# Altium PCB main_board.PcbDoc (part 1 of 2)
Units mm, origin at the board's own origin, x right, y up, seen from the top; angles counter-clockwise.
Board outline 102 x 125 mm, 2 copper layers (Top Layer, Bottom Layer), stack 1.58 mm thick; 105 components, 116 nets, 584 pads, 449 vias.
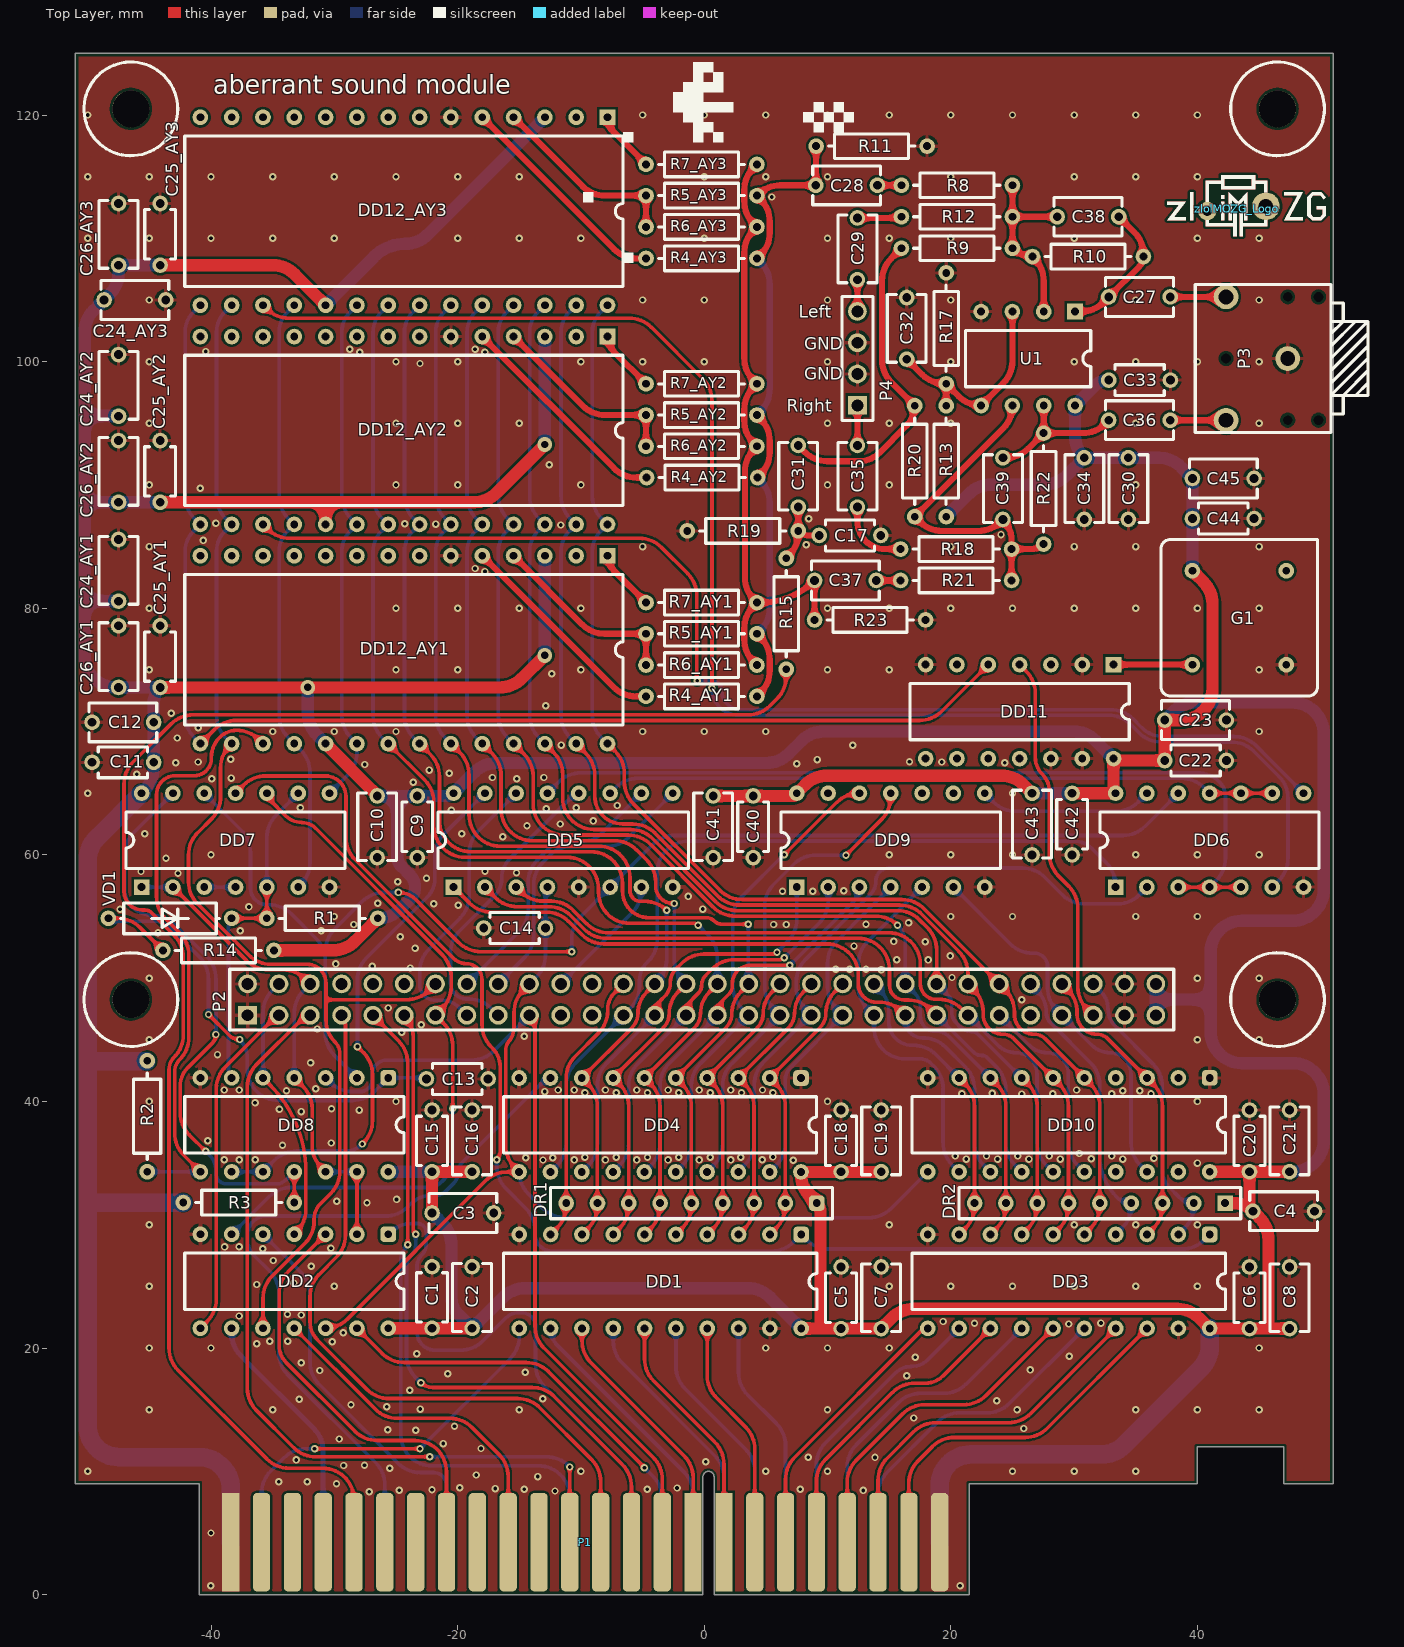
[diagram p0: Top Layer view]
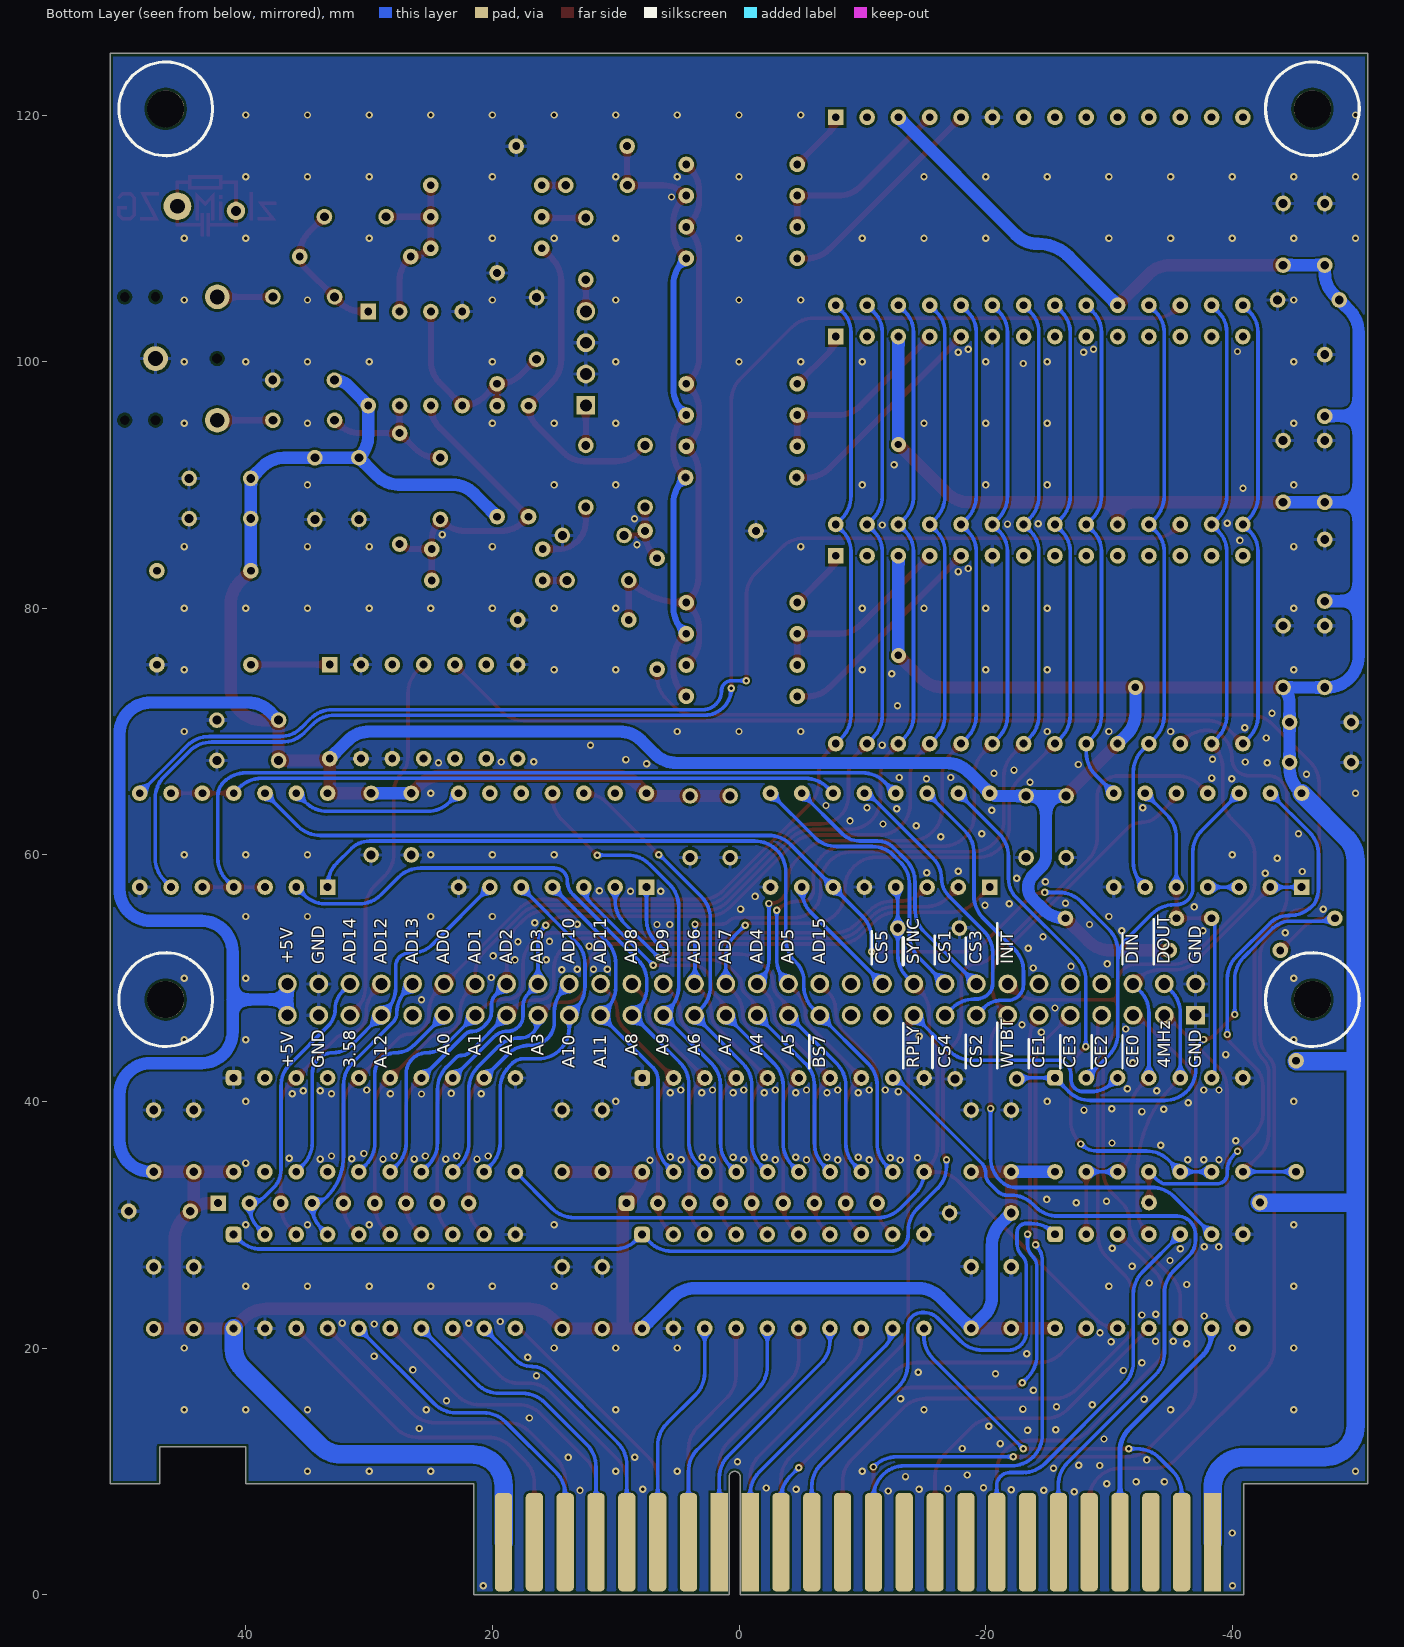
[diagram p1: Bottom Layer view, seen from below]
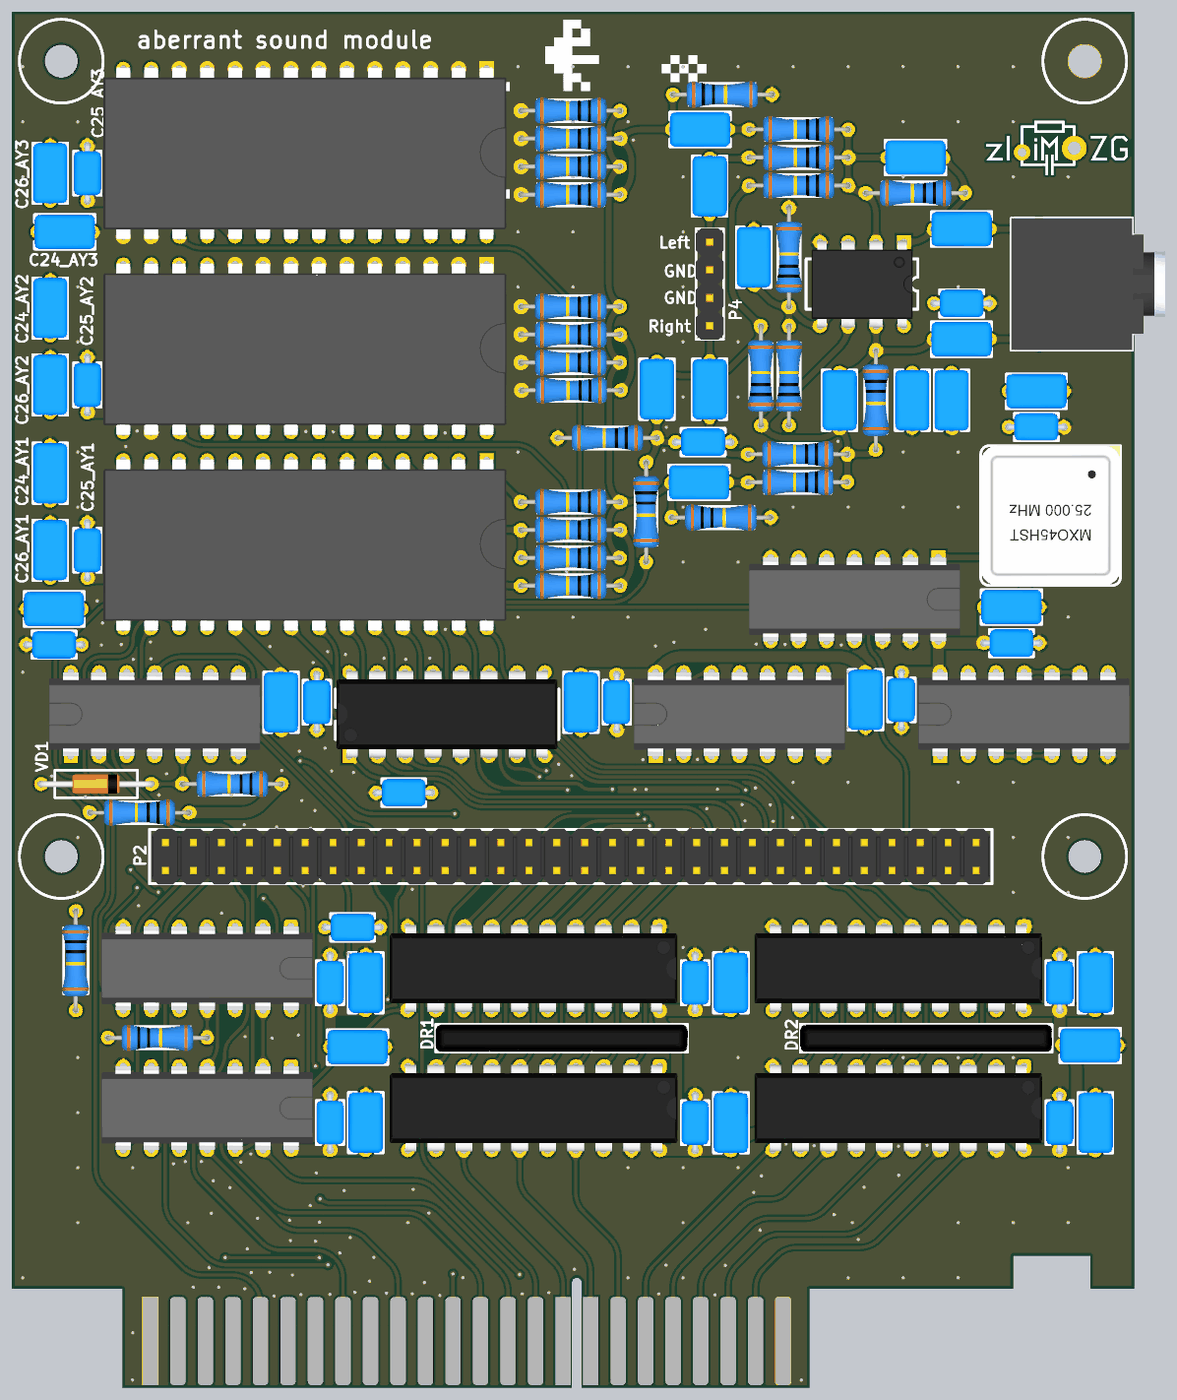
[diagram p3: 3D render of the assembled board from above, using the file's embedded part models]

## Layer stack, top to bottom
Top Solder: solder mask 0.0102, Solder Resist, Dk 3.5
Top Layer: signal copper 0.035
Dielectric 1: dielectric 1.51, FR-4, Dk 4.8
Bottom Layer: signal copper 0.035
Bottom Solder: solder mask 0.0102, Solder Resist, Dk 3.5

## Board outline
-40.95,0 -0.1,0 -0.1,9.552 cw(c0.35,9.55) 0.8,9.55 0.8,0 21.5,0 21.5,9 40,9 40,12 47,12 47,9 51,9 51,125 -51,125 -51,9 -40.95,9

## Design rules (kind name [scope] priority, off if disabled: settings)
BoardOutlineClearance [OnCopper] p1: gap=0.25 ignorepadtopadclearanceinfootprint=FALSE
Clearance BigHoleClearance [IsPad && HoleDiameter > 5] p1: gap=0.15 ignorepadtopadclearanceinfootprint=FALSE except(0.45: Arc-Hole Track-Hole SMDPad-Hole THPad-Hole Via-Hole Fill-Hole Poly-Hole Region-Hole Text-Hole)
Clearance KeepOutClearance [Keepout] p2: gap=0.2 ignorepadtopadclearanceinfootprint=FALSE
Clearance PolygonClearanceAllLayers [All vs InPolygon] p3: gap=0.2 ignorepadtopadclearanceinfootprint=FALSE
Clearance ClearanceInternalLayers [All vs OnMid] p4: gap=0.1 ignorepadtopadclearanceinfootprint=FALSE
Clearance ClearanceTopBottomLayers [All] p5: gap=0.15 ignorepadtopadclearanceinfootprint=FALSE
ComponentClearance [All] p1: gap=0.15 collisioncheckmode=3 verticalgap=0.15 showdistances=FALSE
DiffPairsRouting [All] p1: maxlimit=0.15 minlimit=0.1 mostfreqgap=0.15 toplayer_minwidth=0.1 toplayer_maxwidth=0.5 toplayer_prefwidth=0.3 bottomlayer_minwidth=0.1 bottomlayer_maxwidth=0.5 bottomlayer_prefwidth=0.3 maxuncoupledlength=12.7
HoleSize [All] p1: absolutevalues=TRUE maxlimit=10 minlimit=0.2 maxpercent=80.000 minpercent=20.000
HoleToHoleClearance [All] p1: gap=0.2 allowstackedmicrovias=TRUE
MatchedLengths [InDifferentialPairClass('All Differential Pairs')] p1: tolerance=0.3 checknetsindiffpair=TRUE checkdiffpairvsdiffpair=FALSE checkxsignals=FALSE checkothers=FALSE
MinimumAnnularRing [All] p1: minimumring=0.1
MinimumSolderMaskSliver [All] p1: minsoldermaskwidth=0.1
PolygonConnect [All] p1: thpad.connectstyle=Relief thpad.reliefconductorwidth=0.3 thpad.reliefentries=4 thpad.polygonreliefangle="90 Angle" thpad.airgapwidth=0.25 smdpad.connectstyle=Relief smdpad.reliefconductorwidth=0.25 smdpad.reliefentries=4 smdpad.polygonreliefangle="90 Angle" smdpad.airgapwidth=0.25 via.connectstyle=Direct via.reliefconductorwidth=0.254 via.reliefentries=4 via.polygonreliefangle="90 Angle" via.airgapwidth=0.254
RoutingVias [All] p1: holewidth=0.2 width=0.5 viastyle="Through Hole" minholewidth=0.2 minwidth=0.4 maxholewidth=1 maxwidth=2
SilkToSilkClearance [All] p1: silktosilkclearance=0.01
SilkToSolderMaskClearance [IsPad] p1: minsilkscreentomaskgap=0.01 clearancetoexposedcopper=TRUE
SolderMaskExpansion [All] p1: expansion=0.05
ViasUnderSMD [All] p1: allowed=TRUE
Width WidthInternalLayers [OnMid] p1: maxlimit=8 minlimit=0.1 preferedwidth=0.25
Width WidthTopBottomLayers [OnTopLayer Or OnBottomLayer] p2: maxlimit=8 minlimit=0.15 preferedwidth=0.25
23 further rules are at their usual default settings.

## Classes and differential pairs
channel class ay: AY1 AY2 AY3
net class R_IN[1..3]: R_IN3
net class L_IN[1..3]: L_IN3
net class CS_AY[1..3]: CS_AY1 CS_AY2 CS_AY3
net class C\S\[1..5]: C\S\1 C\S\2 C\S\3 C\S\4 C\S\5
net class C\E\[0..3]: C\E\0 C\E\1 C\E\2 C\E\3
net class AD[0..15]: AD0 AD1 AD2 AD3 AD4 AD5 AD6 AD7 AD8 AD9 AD10 AD11 AD12 AD13 AD14 AD15
net class A[0..12]: A0 A1 A2 A3 A4 A5 A6 A7 A8 A9 A10 A11 A12
component class "System Bus": C1 C2 C3 C4 C5 C6 C7 C8 DD1 DD2 DD3 DR1 DR2 P1
component class "Future Connector": P2
component class AY3: C24_AY3 C25_AY3 C26_AY3 DD12_AY3 R4_AY3 R5_AY3 R6_AY3 R7_AY3
component class AY2: C24_AY2 C25_AY2 C26_AY2 DD12_AY2 R4_AY2 R5_AY2 R6_AY2 R7_AY2
component class AY1: C24_AY1 C25_AY1 C26_AY1 DD12_AY1 R4_AY1 R5_AY1 R6_AY1 R7_AY1
component class "Audio Mixer": C17 C27 C28 C29 C30 C31 C32 C33 C34 C35 C36 C37 C38 C39 P3 P4 R8 R9 R10 R11 R12 R13 R15 R17 R18 R19 R20 R21 R22 R23 U1
component class "Address Detector": C9 C10 C11 C12 C13 C14 C15 C16 C18 C19 C20 C21 C22 C23 C40 C41 C42 C43 C44 C45 DD4 DD5 DD6 DD7 DD8 DD9 DD10 DD11 G1 R1 R2 R3 R14 VD1 zloiMOZG_Logo

## Components (designator, comment, footprint, x,y, rotation, side; value= is the part's Value field where it differs from the comment)
C1 "0.1u" "CAP 4x2.5" -22.075,24.1 r270 top
C2 "4.7u" "CAP 5.5x3.15" -18.825,24.1 r270 top
C3 "10u" "CAP 5.5x3.15" -19.575,30.95 r180 top
C4 "10u" "CAP 5.5x3.15" 47,31.1 r180 top
C5 "0.1u" "CAP 4x2.5" 11.1,24.075 r270 top
C6 "0.1u" "CAP 4x2.5" 44.225,24.075 r270 top
C7 "4.7u" "CAP 5.5x3.15" 14.35,24.075 r270 top
C8 "4.7u" "CAP 5.5x3.15" 47.475,24.075 r270 top
C9 "0.1u" "CAP 4x2.5" -23.275,62.275 r90 top
C10 "4.7u" "CAP 5.5x3.15" -26.525,62.275 r90 top
C11 "0.1u" "CAP 4x2.5" -47.15,67.5 r0 top
C12 "4.7u" "CAP 5.5x3.15" -47.15,70.75 r0 top
C13 "62" "CAP 4x2.5" -20.025,41.825 r180 top
C14 "200" "CAP 4x2.5" -15.375,54.06 r0 top
C15 "0.1u" "CAP 4x2.5" -22.075,36.8 r270 top
C16 "4.7u" "CAP 5.5x3.15" -18.825,36.8 r270 top
C17 "Cap" "CAP 4x2.5" 11.825,85.9 r180 top
C18 "0.1u" "CAP 4x2.5" 11.1,36.8 r270 top
C19 "4.7u" "CAP 5.5x3.15" 14.35,36.8 r270 top
C20 "0.1u" "CAP 4x2.5" 44.225,36.8 r270 top
C21 "4.7u" "CAP 5.5x3.15" 47.475,36.8 r270 top
C22 "0.1u" "CAP 4x2.5" 39.85,67.65 r180 top
C23 "4.7u" "CAP 5.5x3.15" 39.85,70.925 r180 top
C24_AY1 "10u" "CAP 5.5x3.15" -47.5,83.075 r270 top (schematic designator C24)
C24_AY2 "10u" "CAP 5.5x3.15" -47.5,98.075 r270 top (schematic designator C24)
C24_AY3 "10u" "CAP 5.5x3.15" -46.175,105 r180 top (schematic designator C24)
C25_AY1 "0.1u" "CAP 4x2.5" -44.125,76.075 r270 top (schematic designator C25)
C25_AY2 "0.1u" "CAP 4x2.5" -44.125,91.1 r270 top (schematic designator C25)
C25_AY3 "0.1u" "CAP 4x2.5" -44.125,110.325 r270 top (schematic designator C25)
C26_AY1 "4.7u" "CAP 5.5x3.15" -47.5,76.075 r270 top (schematic designator C26)
C26_AY2 "4.7u" "CAP 5.5x3.15" -47.5,91.1 r270 top (schematic designator C26)
C26_AY3 "4.7u" "CAP 5.5x3.15" -47.5,110.325 r270 top (schematic designator C26)
C27 "10u" "CAP 5.5x3.15" 35.304,105.25 r0 top
C28 "10u" "CAP 5.5x3.15" 11.55,114.3 r0 top
C29 "10u" "CAP 5.5x3.15" 12.425,109.15 r90 top
C30 "10u" "CAP 5.5x3.15" 34.4,89.7 r90 top
C31 "10u" "CAP 5.5x3.15" 7.625,90.703 r90 top
C32 "10u" "CAP 5.5x3.15" 16.425,102.7 r270 top
C33 "0.1u" "CAP 4x2.5" 35.314,98.5 r180 top
C34 "4.7u" "CAP 5.5x3.15" 30.825,89.7 r90 top
C35 "10u" "CAP 5.5x3.15" 12.425,90.703 r270 top
C36 "10u" "CAP 5.5x3.15" 35.304,95.25 r0 top
C37 "10u" "CAP 5.5x3.15" 11.45,82.25 r0 top
C38 "1200 NC" "CAP 5.5x3.15" 31.125,111.75 r180 top
C39 "1200 NC" "CAP 5.5x3.15" 24.225,89.7 r270 top
C40 "0.1u" "CAP 4x2.5" 3.975,62.275 r90 top
C41 "4.7u" "CAP 5.5x3.15" 0.725,62.275 r90 top
C42 "0.1u" "CAP 4x2.5" 29.84,62.487 r90 top
C43 "4.7u" "CAP 5.5x3.15" 26.59,62.487 r90 top
C44 "0.1u" "CAP 4x2.5" 42.1,87.275 r180 top
C45 "4.7u" "CAP 5.5x3.15" 42.1,90.525 r180 top
DD1 "74F642N" DIP20 7.865,29.21 r270 top
DD2 "74x1034" DIP14#1 -25.625,29.225 r270 top
DD3 "74F642N" DIP20 40.995,29.21 r270 top
DD4 "74x573" DIP20 7.85,41.9 r270 top
DD5 "74x138" DIP16 -20.331,57.38 r90 top
DD6 "74x27" DIP14#2 33.365,57.38 r90 top
DD7 "74x08" DIP14#2 -45.63,57.38 r90 top
DD8 "74x38" DIP14#1 -25.625,41.91 r270 top
DD9 "74x30" DIP14#2 7.509,57.38 r90 top
DD10 "74x573" DIP20 40.995,41.91 r270 top
DD11 "74x393" DIP14#2 33.2,75.425 r270 top
DD12_AY1 "AY-3-8912" DIP28 -7.844,84.256 r270 top (schematic designator DD12)
DD12_AY2 "AY-3-8912" DIP28 -7.844,102.036 r270 top (schematic designator DD12)
DD12_AY3 "AY-3-8912" DIP28 -7.844,119.816 r270 top (schematic designator DD12)
DR1 "RNA8" SIP9#1 9.125,31.75 r270 top
DR2 "RNA8" SIP9#2 42.25,31.75 r270 top
G1 "CXO" "DIP8 CXO" 49.75,85.575 r270 top
P1 "EDGE" "SNP15-48 EDGE" -38.4,4.25 r0 top locked
P2 "PLD60" PLD60 -0.2,48.26 r180 top locked
P3 "3.5mm audio socket" ST-111 47.325,100.25 r180 top
P4 "Header 4" PLS4 12.425,100.265 r270 top
R1 "2.2K" "Axial Res 0.25"#1 -26.475,54.85 r180 top
R2 "2.2K" "Axial Res 0.25"#2 -45.175,38.8 r270 top
R3 "2.2K" "Axial Res 0.25"#1 -42.25,31.8 r0 top
R4_AY1 "1K" "Axial Res 0.25"#1 4.28,72.85 r180 top (schematic designator R4)
R4_AY2 "1K" "Axial Res 0.25"#1 4.33,90.6 r180 top (schematic designator R4)
R4_AY3 "1K" "Axial Res 0.25"#1 4.28,108.375 r180 top (schematic designator R4)
R5_AY1 "2.2K" "Axial Res 0.25"#1 4.28,77.925 r180 top (schematic designator R5)
R5_AY2 "2.2K" "Axial Res 0.25"#1 4.28,95.67 r180 top (schematic designator R5)
R5_AY3 "2.2K" "Axial Res 0.25"#1 4.28,113.465 r180 top (schematic designator R5)
R6_AY1 "2.2K" "Axial Res 0.25"#1 4.28,75.385 r180 top (schematic designator R6)
R6_AY2 "2.2K" "Axial Res 0.25"#1 4.28,93.13 r180 top (schematic designator R6)
R6_AY3 "2.2K" "Axial Res 0.25"#1 4.28,110.925 r180 top (schematic designator R6)
R7_AY1 "1K" "Axial Res 0.25"#1 4.28,80.455 r180 top (schematic designator R7)
R7_AY2 "1K" "Axial Res 0.25"#1 4.28,98.2 r180 top (schematic designator R7)
R7_AY3 "1K" "Axial Res 0.25"#1 4.28,115.995 r180 top (schematic designator R7)
R8 "24k" "Axial Res 0.25"#1 25,114.3 r180 top
R9 "100K" "Axial Res 0.25"#1 25,109.2 r180 top
R10 "10k" "Axial Res 0.25"#1 35.625,108.525 r180 top
R11 "510" "Axial Res 0.25"#1 9.075,117.475 r0 top
R12 "24k" "Axial Res 0.25"#1 25,111.75 r180 top
R13 "1K" "Axial Res 0.25"#1 19.625,87.425 r90 top
R14 "10K" "Axial Res 0.25"#2 -39.4,52.25 r180 top
R15 "510" "Axial Res 0.25"#1 6.65,84.05 r270 top
R17 "1K" "Axial Res 0.25"#1 19.625,98.2 r90 top
R18 "24k" "Axial Res 0.25"#1 24.925,84.8 r180 top
R19 "510" "Axial Res 0.25"#1 7.625,86.275 r180 top
R20 "100K" "Axial Res 0.25"#1 17.075,87.425 r90 top
R21 "24k" "Axial Res 0.25"#1 24.925,82.25 r180 top
R22 "10k" "Axial Res 0.25"#1 27.525,94.2 r270 top
R23 "510" "Axial Res 0.25"#1 8.95,79.05 r0 top
U1 "LM358N" DIP8 30.075,104.06 r270 top
VD1 "D9B" D9 -43.325,54.85 r0 top locked
zloiMOZG_Logo "zloiMOZG_Logo" zloiMOZG_Logo_1.5mm 37.55,111.475 r0 top

## Footprints (in the part's own frame and the unit in brackets; to place one, negate y for a bottom-side part, rotate by r counter-clockwise, add the part's x,y. Pads: shape width x height; smd on the part's side, far side on the other; paste and mask are expansions set on the pad)
"Axial Res 0.25"#1 [mm]
  round 1.27 hole 0.635: 1(0,0) 2(9,0)
  silkscreen extent 1,-1 8,1, body extent -0.19,-1.19 9.21,1.19, height 2.57
"Axial Res 0.25"#2 [mm]
  round 1.27 hole 0.635: 1(-4.5,0) 2(4.5,0)
  silkscreen extent -3.5,-1.1 3.5,1.1, body extent -4.7,-1.2 4.7,1.18, height 2.57
"CAP 4x2.5" [mm]
  round 1.27 hole 0.711: 1(-2.5,0) 2(2.5,0)
  silkscreen extent -2,-1.25 2,1.25, body extent -2.75,-1.25 2.75,1.25, height 5.8
"CAP 5.5x3.15" [mm]
  round 1.27 hole 0.711: 1(-2.5,0) 2(2.5,0)
  silkscreen extent -2.75,-1.58 2.75,1.58, body extent -2.75,-1.57 2.75,1.58, height 6.05
D9 [mm]
  round 1.27 hole 0.635: 1(-5,0) 2(5,0)
  silkscreen extent -4,-1.25 4,1.25, body extent -5.37,-0.88 5.32,0.88, height 2.15
DIP8 [mm]
  rect 1.27x1.27 hole 0.635: 1(0,0)
  round 1.27 hole 0.635: 2(0,-2.54) 3(0,-5.08) 4(0,-7.62) 5(7.62,-7.62) 6(7.62,-5.08) 7(7.62,-2.54) 8(7.62,0)
  silkscreen extent 1.52,-8.89 6.1,1.27, body extent -0.12,-8.41 7.75,0.79, height 3.85
"DIP8 CXO" [mm]
  round 1.27 hole 0.635: 1(2.54,-2.54) 4(10.16,-2.54) 5(10.16,-10.16) 8(2.54,-10.16)
  silkscreen extent 0,-12.7 12.7,0, body extent 0,-12.7 12.7,0, height 4.6
DIP14#1 [mm]
  rrect50% 1.27x1.27 hole 0.635: 1(0,0)
  round 1.27 hole 0.635: 2(0,-2.54) 3(0,-5.08) 4(0,-7.62) 5(0,-10.16) 6(0,-12.7) 7(0,-15.24) 8(7.62,-15.24) 9(7.62,-12.7) 10(7.62,-10.16) 11(7.62,-7.62) 12(7.62,-5.08) 13(7.62,-2.54) 14(7.62,0)
  silkscreen extent 1.52,-16.51 6.1,1.27, body extent 0,-17.22 7.62,1.98, height 4
DIP14#2 [mm]
  rect 1.27x1.27 hole 0.635: 1(0,0)
  round 1.27 hole 0.635: 2(0,-2.54) 3(0,-5.08) 4(0,-7.62) 5(0,-10.16) 6(0,-12.7) 7(0,-15.24) 8(7.62,-15.24) 9(7.62,-12.7) 10(7.62,-10.16) 11(7.62,-7.62) 12(7.62,-5.08) 13(7.62,-2.54) 14(7.62,0)
  silkscreen extent 1.52,-16.51 6.1,1.27, body extent 0,-17.22 7.62,1.98, height 4
DIP16 [mm]
  rect 1.27x1.27 hole 0.635: 1(0,0)
  round 1.27 hole 0.635: 2(0,-2.54) 3(0,-5.08) 4(0,-7.62) 5(0,-10.16) 6(0,-12.7) 7(0,-15.24) 8(0,-17.78) 9(7.62,-17.78) 10(7.62,-15.24) 11(7.62,-12.7) 12(7.62,-10.16) 13(7.62,-7.62) 14(7.62,-5.08) 15(7.62,-2.54) 16(7.62,0)
  silkscreen extent 1.52,-19.05 6.1,1.27, body extent -0.13,-18.92 7.75,1.14, height 5.33
DIP20 [mm]
  rrect50% 1.27x1.27 hole 0.635: 1(0,0)
  round 1.27 hole 0.635: 2(0,-2.54) 3(0,-5.08) 4(0,-7.62) 5(0,-10.16) 6(0,-12.7) 7(0,-15.24) 8(0,-17.78) 9(0,-20.32) 10(0,-22.86) 11(7.62,-22.86) 12(7.62,-20.32) 13(7.62,-17.78) 14(7.62,-15.24) 15(7.62,-12.7) 16(7.62,-10.16) 17(7.62,-7.62) 18(7.62,-5.08) 19(7.62,-2.54) 20(7.62,0)
  silkscreen extent 1.52,-24.13 6.1,1.27, body extent -0.13,-24.51 7.75,1.65, height 5.33
DIP28 [mm]
  rect 1.27x1.27 hole 0.635: 1(0,0)
  round 1.27 hole 0.635: 2(0,-2.54) 3(0,-5.08) 4(0,-7.62) 5(0,-10.16) 6(0,-12.7) 7(0,-15.24) 8(0,-17.78) 9(0,-20.32) 10(0,-22.86) 11(0,-25.4) 12(0,-27.94) 13(0,-30.48) 14(0,-33.02) 15(15.24,-33.02) 16(15.24,-30.48) 17(15.24,-27.94) 18(15.24,-25.4) 19(15.24,-22.86) 20(15.24,-20.32) 21(15.24,-17.78) 22(15.24,-15.24) 23(15.24,-12.7) 24(15.24,-10.16) 25(15.24,-7.62) 26(15.24,-5.08) 27(15.24,-2.54) 28(15.24,0)
  silkscreen extent 1.52,-34.29 13.72,1.27, body extent -0.1,-34.81 15.49,1.79, height 4.3
PLD60 [mil]
  rect 60x60 hole 38: 1(1450,50)
  round 60 hole 38: 2(1450,-50) 3(1350,50) 4(1350,-50) 5(1250,50) 6(1250,-50) 7(1150,50) 8(1150,-50) 9(1050,50) 10(1050,-50) 11(950,50) 12(950,-50) 13(850,50) 14(850,-50) 15(750,50) 16(750,-50) 17(650,50) 18(650,-50) 19(550,50) 20(550,-50) 21(450,50) 22(450,-50) 23(350,50) 24(350,-50) 25(250,50) 26(250,-50) 27(150,50) 28(150,-50) 29(50,50) 30(50,-50) 31(-50,50) 32(-50,-50) 33(-150,50) 34(-150,-50) 35(-250,50) 36(-250,-50) 37(-350,50) 38(-350,-50) 39(-450,50) 40(-450,-50) 41(-550,50) 42(-550,-50) 43(-650,50) 44(-650,-50) 45(-750,50) 46(-750,-50) 47(-850,50) 48(-850,-50) 49(-950,50) 50(-950,-50) 51(-1050,50) 52(-1050,-50) 53(-1150,50) 54(-1150,-50) 55(-1250,50) 56(-1250,-50) 57(-1350,50) 58(-1350,-50) 59(-1450,50) 60(-1450,-50)